# Altium PCB OLD_DIOT_temperature_logger.PcbDoc (part 5 of 6)
Units mm, origin at the board's own origin, x right, y up, seen from the top; angles counter-clockwise.
Board outline 222.54 x 100 mm, 4 copper layers (TOP, MID1, MID2, BOT), stack 1.55 mm thick; 631 components, 598 nets, 2471 pads, 1426 vias.
Unrouted connection lines stored in the file: 306.
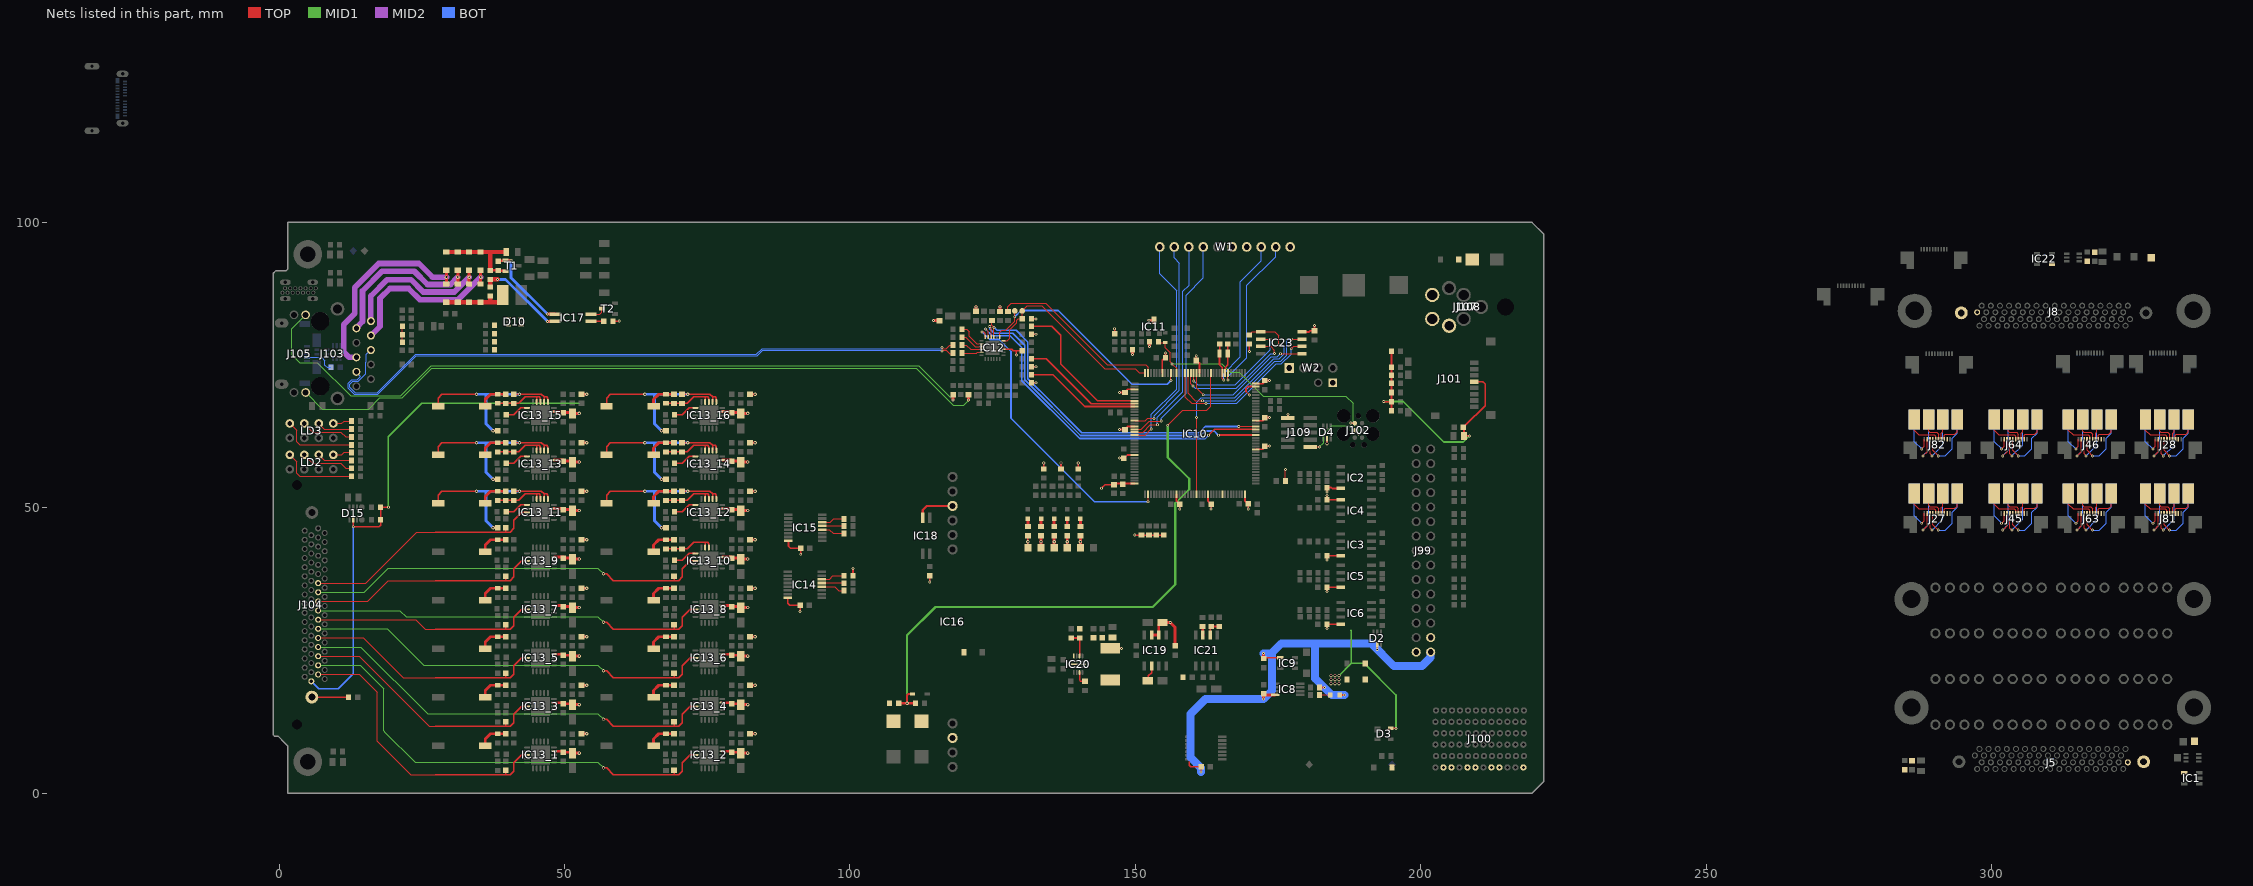
[diagram p7: the nets of this part, all layers, seen from the top]

## Via types
v1: diameter 0.5, hole 0.2, TOP to BOT, tented both sides, 687 vias
v2: diameter 0.6, hole 0.3, TOP to BOT, 286 vias
v3: diameter 0.5, hole 0.2, TOP to BOT, 256 vias
v4: diameter 0.6, hole 0.3, TOP to BOT, tented both sides, 192 vias
v5: diameter 0.66, hole 0.33, TOP to BOT, tented both sides, 5 vias

## Nets (pads, with @x,y where several pads share a name; then routed paths per layer and width w, separated by ;. In a path a pad name is that pad's centre, name@x,y a point inside that pad or via, vN(x,y) a via of type N, cw(c..) or ccw(c..) an arc to the next point about the centre after c; other vN are vias at no path point) (continued)
NetIC13_10_3: IC13_10.3 IC13_10.4 R104_10.2 R105_10.2 R106_10.2 | length 9.6
  TOP w0.254: R105_10.2@67.8,42.8 R104_10.2@69.2,42.8 R106_10.2@70.6,42.8 71.525,42.8 72.675,43.95 74.65,43.95 ; IC13_10.4@74.65,43.05 74.65,43.95 ; IC13_10.3@75.3,43.05 75.3,43.725 75.075,43.95 74.65,43.95
NetIC13_10_6: IC13_10.6 R107_10.2 | length 4.1
  TOP w0.254: R107_10.2@69.3,40.8 70.65,40.8 71.85,42 IC13_10.6@72.95,42
NetIC13_11_1: IC13_11.1 IC13_11.2 R106_11.1 R108_11.1 SW1_11.1 | length 31.6
  TOP w0.254: SW1_11.1@27.875,50.8 27.875,52.225 28.55,52.9 v2(34.6,52.9) ; R106_11.1@40.958,52.9 R106_11.1@41.1,52.9 v4(42.125,52.9) 45.975,52.9 46.45,52.425 ; IC13_11.2@46.45,51.55 46.45,52.425 ; IC13_11.1@47.1,51.55 47.1,52.215 46.89,52.425 46.45,52.425
  TOP w0.5: v4(37.5,46.5) R108_11.1@38.3,46.5
  BOT w0.5: v2(34.6,52.9) 36.275,52.9 ; v4(37.5,46.5) 36.275,47.725 36.275,52.9 ; v4(42.125,52.9) 36.275,52.9
NetIC13_11_3: IC13_11.3 IC13_11.4 R104_11.2 R105_11.2 R106_11.2 | length 9.6
  TOP w0.254: R105_11.2@38.3,51.3 R104_11.2@39.7,51.3 R106_11.2@41.1,51.3 42.025,51.3 43.175,52.45 45.15,52.45 ; IC13_11.4@45.15,51.55 45.15,52.45 ; IC13_11.3@45.8,51.55 45.8,52.225 45.575,52.45 45.15,52.45
NetIC13_11_6: IC13_11.6 R107_11.2 | length 4.1
  TOP w0.254: R107_11.2@39.8,49.3 41.15,49.3 42.35,50.5 IC13_11.6@43.45,50.5
NetIC13_12_1: IC13_12.1 IC13_12.2 R106_12.1 R108_12.1 SW1_12.1 | length 31.6
  TOP w0.254: SW1_12.1@57.375,50.8 57.375,52.225 58.05,52.9 v2(64.1,52.9) ; R106_12.1@70.458,52.9 R106_12.1@70.6,52.9 v4(71.625,52.9) 75.475,52.9 75.95,52.425 ; IC13_12.2@75.95,51.55 75.95,52.425 ; IC13_12.1@76.6,51.55 76.6,52.215 76.39,52.425 75.95,52.425
  TOP w0.5: v4(67,46.5) R108_12.1@67.8,46.5
  BOT w0.5: v2(64.1,52.9) 65.775,52.9 ; v4(67,46.5) 65.775,47.725 65.775,52.9 ; v4(71.625,52.9) 65.775,52.9
NetIC13_12_3: IC13_12.3 IC13_12.4 R104_12.2 R105_12.2 R106_12.2 | length 9.6
  TOP w0.254: R105_12.2@67.8,51.3 R104_12.2@69.2,51.3 R106_12.2@70.6,51.3 71.525,51.3 72.675,52.45 74.65,52.45 ; IC13_12.4@74.65,51.55 74.65,52.45 ; IC13_12.3@75.3,51.55 75.3,52.225 75.075,52.45 74.65,52.45
NetIC13_12_6: IC13_12.6 R107_12.2 | length 4.1
  TOP w0.254: R107_12.2@69.3,49.3 70.65,49.3 71.85,50.5 IC13_12.6@72.95,50.5
NetIC13_13_1: IC13_13.1 IC13_13.2 R106_13.1 R108_13.1 SW1_13.1 | length 31.6
  TOP w0.254: SW1_13.1@27.875,59.3 27.875,60.725 28.55,61.4 v2(34.6,61.4) ; R106_13.1@40.958,61.4 R106_13.1@41.1,61.4 v4(42.125,61.4) 45.975,61.4 46.45,60.925 ; IC13_13.2@46.45,60.05 46.45,60.925 ; IC13_13.1@47.1,60.05 47.1,60.715 46.89,60.925 46.45,60.925
  TOP w0.5: v4(37.5,55) R108_13.1@38.3,55
  BOT w0.5: v2(34.6,61.4) 36.275,61.4 ; v4(37.5,55) 36.275,56.225 36.275,61.4 ; v4(42.125,61.4) 36.275,61.4
NetIC13_13_3: IC13_13.3 IC13_13.4 R104_13.2 R105_13.2 R106_13.2 | length 9.6
  TOP w0.254: R105_13.2@38.3,59.8 R104_13.2@39.7,59.8 R106_13.2@41.1,59.8 42.025,59.8 43.175,60.95 45.15,60.95 ; IC13_13.4@45.15,60.05 45.15,60.95 ; IC13_13.3@45.8,60.05 45.8,60.725 45.575,60.95 45.15,60.95
NetIC13_13_6: IC13_13.6 R107_13.2 | length 4.1
  TOP w0.254: R107_13.2@39.8,57.8 41.15,57.8 42.35,59 IC13_13.6@43.45,59
NetIC13_14_1: IC13_14.1 IC13_14.2 R106_14.1 R108_14.1 SW1_14.1 | length 31.6
  TOP w0.254: SW1_14.1@57.375,59.3 57.375,60.725 58.05,61.4 v2(64.1,61.4) ; R106_14.1@70.458,61.4 R106_14.1@70.6,61.4 v4(71.625,61.4) 75.475,61.4 75.95,60.925 ; IC13_14.2@75.95,60.05 75.95,60.925 ; IC13_14.1@76.6,60.05 76.6,60.715 76.39,60.925 75.95,60.925
  TOP w0.5: v4(67,55) R108_14.1@67.8,55
  BOT w0.5: v2(64.1,61.4) 65.775,61.4 ; v4(67,55) 65.775,56.225 65.775,61.4 ; v4(71.625,61.4) 65.775,61.4
NetIC13_14_3: IC13_14.3 IC13_14.4 R104_14.2 R105_14.2 R106_14.2 | length 9.6
  TOP w0.254: R105_14.2@67.8,59.8 R104_14.2@69.2,59.8 R106_14.2@70.6,59.8 71.525,59.8 72.675,60.95 74.65,60.95 ; IC13_14.4@74.65,60.05 74.65,60.95 ; IC13_14.3@75.3,60.05 75.3,60.725 75.075,60.95 74.65,60.95
NetIC13_14_6: IC13_14.6 R107_14.2 | length 4.1
  TOP w0.254: R107_14.2@69.3,57.8 70.65,57.8 71.85,59 IC13_14.6@72.95,59
NetIC13_15_1: IC13_15.1 IC13_15.2 R106_15.1 R108_15.1 SW1_15.1 | length 31.6
  TOP w0.254: SW1_15.1@27.875,67.8 27.875,69.225 28.55,69.9 v2(34.6,69.9) ; R106_15.1@40.958,69.9 R106_15.1@41.1,69.9 v4(42.125,69.9) 45.975,69.9 46.45,69.425 ; IC13_15.2@46.45,68.55 46.45,69.425 ; IC13_15.1@47.1,68.55 47.1,69.215 46.89,69.425 46.45,69.425
  TOP w0.5: v4(37.5,63.5) R108_15.1@38.3,63.5
  BOT w0.5: v2(34.6,69.9) 36.275,69.9 ; v4(37.5,63.5) 36.275,64.725 36.275,69.9 ; v4(42.125,69.9) 36.275,69.9
NetIC13_15_3: IC13_15.3 IC13_15.4 R104_15.2 R105_15.2 R106_15.2 | length 9.6
  TOP w0.254: R105_15.2@38.3,68.3 R104_15.2@39.7,68.3 R106_15.2@41.1,68.3 42.025,68.3 43.175,69.45 45.15,69.45 ; IC13_15.4@45.15,68.55 45.15,69.45 ; IC13_15.3@45.8,68.55 45.8,69.225 45.575,69.45 45.15,69.45
NetIC13_15_6: IC13_15.6 R107_15.2 | length 4.1
  TOP w0.254: R107_15.2@39.8,66.3 41.15,66.3 42.35,67.5 IC13_15.6@43.45,67.5
NetIC13_16_1: IC13_16.1 IC13_16.2 R106_16.1 R108_16.1 SW1_16.1 | length 31.6
  TOP w0.254: SW1_16.1@57.375,67.8 57.375,69.225 58.05,69.9 v2(64.1,69.9) ; R106_16.1@70.458,69.9 R106_16.1@70.6,69.9 v4(71.625,69.9) 75.475,69.9 75.95,69.425 ; IC13_16.2@75.95,68.55 75.95,69.425 ; IC13_16.1@76.6,68.55 76.6,69.215 76.39,69.425 75.95,69.425
  TOP w0.5: v4(67,63.5) R108_16.1@67.8,63.5
  BOT w0.5: v2(64.1,69.9) 65.775,69.9 ; v4(67,63.5) 65.775,64.725 65.775,69.9 ; v4(71.625,69.9) 65.775,69.9
NetIC13_16_3: IC13_16.3 IC13_16.4 R104_16.2 R105_16.2 R106_16.2 | length 9.6
  TOP w0.254: R105_16.2@67.8,68.3 R104_16.2@69.2,68.3 R106_16.2@70.6,68.3 71.525,68.3 72.675,69.45 74.65,69.45 ; IC13_16.4@74.65,68.55 74.65,69.45 ; IC13_16.3@75.3,68.55 75.3,69.225 75.075,69.45 74.65,69.45
NetIC13_16_6: IC13_16.6 R107_16.2 | length 4.1
  TOP w0.254: R107_16.2@69.3,66.3 70.65,66.3 71.85,67.5 IC13_16.6@72.95,67.5
NetIC14_4: IC14.4 R116.2 | length 4.2
  TOP w0.2: IC14.4@95.05,36.175 97.375,36.175 98.05,35.5 R116.2@98.95,35.5
NetIC14_5: IC14.5 R114.2 | length 3.9
  TOP w0.2: IC14.5@95.05,36.825 R114.2@98.825,36.825 ; R114.2@98.85,36.8 R114.2@98.825,36.825 ; R114.2@98.95,36.825 R114.2@98.825,36.825
NetIC14_6: IC14.6 R112.2 | length 4.1
  TOP w0.2: IC14.6@95.05,37.475 96.475,37.475 97.049,38.049 R112.2@98.95,38.049
NetIC15_4: IC15.4 R117.2 | length 4.1
  TOP w0.127: IC15.4@95.15,46.175 96.425,46.175 97.1,45.5 R117.2@98.95,45.5
NetIC15_5: IC15.5 R115.2 | length 3.8
  TOP w0.127: IC15.5@95.15,46.825 R115.2@98.925,46.825 ; R115.2@98.938,46.825 R115.2@98.925,46.825 ; R115.2@98.95,46.8 R115.2@98.925,46.825
NetIC15_6: IC15.6 R113.2 | length 4
  TOP w0.127: IC15.6@95.15,47.475 96.575,47.475 97.149,48.049 R113.2@98.95,48.049
NetIC16_3: IC16.3 IC18.2 | length 6.9
  TOP w0.4: IC18.2@112.765,48.25 112.765,49.59 113.477,50.301 IC16.3@118.025,50.301
NetIC17_1: IC17.1 R121.1 | length 2.3
  TOP w0.254: IC17.1@54.65,82.665 56.865,82.665 R121.1@56.9,82.7
NetIC17_2: IC17.2 T2.3 | length 2.7
  TOP w0.127: IC17.2@54.65,83.935 56.21,83.935 56.55,84.275 T2.3@56.55,84.9
NetIC17_3: IC17.3 R126.2 T1.1 | length 16.7
  TOP w0.127: R126.2@38.4,93.2 T1.1@39.575,93.2 ; v3@40.64,93.35 v3(40.65,93.36)
  TOP w0.4: R126.2@38.475,93.275 T1.1@39.575,93.275 ; T1.1@39.65,93.35 v3@40.64,93.35
  TOP w0.5: v1(47.025,83.935) IC17.3@48.35,83.935
  BOT w0.5: v3(40.65,93.36) 40.65,90.31 v1(47.025,83.935)
NetIC17_4: IC17.4 R120.1 R125.2 | length 15.7
  TOP w0.5: v1(47.025,82.665) IC17.4@48.35,82.665
  TOP w0.8: R120.1@37,88.7 R125.2@37,90 v3(38.275,90)
  BOT w0.5: v3(38.275,90) 39.69,90 v1(47.025,82.665)
NetIC20_2: IC20.2 L9.1
NetIC20_5: IC20.5 R129.1 R130.1 | length 4.6
  TOP w0.254: IC20.5@140.25,24.05 R129.1@140.25,27.2
  TOP w0.3: R130.1@138.8,27.2 R129.1@140.25,27.2
NetIC20_10: IC20.10 R128.1 | length 2.4
  TOP w0.254: IC20.10@140.25,21.15 140.25,19.75 140.4,19.6 R128.1@141.2,19.6
NetIC21_7: IC21.7 R132.1 | length 1.5
  TOP w0.508: R132.1@161.8,29.2 161.832,29.168 161.832,27.732 IC21.7@161.865,27.7
NetJ5_69: J5.69 R1.1
NetJ8_69: J8.69 R2.1
NetJ103_L1: J103.L1 R83.2 | length 132.4
  TOP w0.5: v1(118.1,68.875) R83.2@118.1,69.8
  MID1 w0.2: J103.L1@4.65,83.8 2.225,81.375 2.225,76.85 3.65,75.425 6.725,75.425 12.525,69.625 21.35,69.625 26.65,74.925 112.05,74.925 v1(118.1,68.875)
NetJ103_L3: J103.L3 R99.2 | length 124.3
  TOP w0.5: v1(120.8,68.875) R99.2@120.8,69.8
  MID1 w0.2: J103.L3@4.65,70.2 7.6,67.25 15.675,67.25 17.675,69.25 21.55,69.25 26.775,74.475 111.675,74.475 118.15,68 119.925,68 v1(120.8,68.875)
NetJ104_69: J104.69 R111.1 | length 6
  TOP w0.254: J104.69@5.75,16.825 11.675,16.825 11.7,16.8
NetJ105_4: J105.4 L6.2 | length 5.4
  BOT w0.2: J105.4@4.9,76.35 7.5,76.35 8.05,75.8 8.05,75 8.442,74.608 9.092,74.608 L6.2@9.1,74.6
NetLD1_1: LD1.1 R44.2 | length 1.9
  TOP w0.127: R44.2@182.3,17.2 LD1.1@184.175,17.2
NetLD2_2: LD2.2 R65.2 | length 13.5
  TOP w0.2: LD2.2@1.89,59.27 3.1,58.06 3.1,56.05 3.65,55.5 R65.2@12.7,55.5
NetLD2_4: LD2.4 R67.2 | length 9.3
  TOP w0.2: LD2.4@4.43,59.27 5.925,57.775 10.8,57.775 11.675,56.9 R67.2@12.7,56.9
NetLD2_6: LD2.6 R68.2 | length 6.1
  TOP w0.2: LD2.6@6.97,59.27 7.94,58.3 R68.2@12.7,58.3
NetLD2_8: LD2.8 R71.2 | length 3.4
  TOP w0.2: LD2.8@9.51,59.27 10.97,59.27 11.4,59.7 R71.2@12.7,59.7
NetLD3_2: LD3.2 R72.2 | length 13.5
  TOP w0.2: LD3.2@1.89,64.77 3.1,63.56 3.1,61.55 3.65,61 R72.2@12.7,61
NetLD3_4: LD3.4 R73.2 | length 9.3
  TOP w0.2: LD3.4@4.43,64.77 5.925,63.275 10.8,63.275 11.675,62.4 R73.2@12.7,62.4
NetLD3_6: LD3.6 R75.2 | length 6.1
  TOP w0.2: LD3.6@6.97,64.77 7.94,63.8 R75.2@12.7,63.8
NetLD3_8: LD3.8 R76.2 | length 3.4
  TOP w0.2: LD3.8@9.51,64.77 10.97,64.77 11.4,65.2 R76.2@12.7,65.2
NetLD4_2: LD4.2 R133.2 | length 1.4
  TOP w0.5: R133.2@140.4,46.7 LD4.2@140.4,48.075
NetLD5_2: LD5.2 R134.2 | length 1.4
  TOP w0.5: R134.2@135.8,46.7 LD5.2@135.8,48.075
NetLD6_2: LD6.2 R135.2 | length 1.4
  TOP w0.5: R135.2@131.2,46.7 LD6.2@131.2,48.075
NetLD7_2: LD7.2 R136.2 | length 1.4
  TOP w0.5: R136.2@133.5,46.7 LD7.2@133.5,48.075
NetLD8_2: LD8.2 R137.2 | length 1.4
  TOP w0.5: R137.2@138.1,46.7 LD8.2@138.1,48.075
NetR57_1: R57.1 R118.1 R119.2 | length 2.8
  TOP w0.127: R119.2@21.6,79 R57.1@21.6,80.3 R118.1@21.6,81.8
NetR104_1_1: R104_1.1 R105_1.1 SW1_1.2 | length 5.1
  TOP w0.5: SW1_1.2@36.125,8.3 36.125,9.5 37.025,10.4 R105_1.1@38.3,10.4 R104_1.1@39.7,10.4
NetR104_2_1: R104_2.1 R105_2.1 SW1_2.2 | length 5.1
  TOP w0.5: SW1_2.2@65.625,8.3 65.625,9.5 66.525,10.4 R105_2.1@67.8,10.4 R104_2.1@69.2,10.4
NetR104_3_1: R104_3.1 R105_3.1 SW1_3.2 | length 5.1
  TOP w0.5: SW1_3.2@36.125,16.8 36.125,18 37.025,18.9 R105_3.1@38.3,18.9 R104_3.1@39.7,18.9
NetR104_4_1: R104_4.1 R105_4.1 SW1_4.2 | length 5.1
  TOP w0.5: SW1_4.2@65.625,16.8 65.625,18 66.525,18.9 R105_4.1@67.8,18.9 R104_4.1@69.2,18.9
NetR104_5_1: R104_5.1 R105_5.1 SW1_5.2 | length 5.1
  TOP w0.5: SW1_5.2@36.125,25.3 36.125,26.5 37.025,27.4 R105_5.1@38.3,27.4 R104_5.1@39.7,27.4
NetR104_6_1: R104_6.1 R105_6.1 SW1_6.2 | length 5.1
  TOP w0.5: SW1_6.2@65.625,25.3 65.625,26.5 66.525,27.4 R105_6.1@67.8,27.4 R104_6.1@69.2,27.4
NetR104_7_1: R104_7.1 R105_7.1 SW1_7.2 | length 5.1
  TOP w0.5: SW1_7.2@36.125,33.8 36.125,35 37.025,35.9 R105_7.1@38.3,35.9 R104_7.1@39.7,35.9
NetR104_8_1: R104_8.1 R105_8.1 SW1_8.2 | length 5.1
  TOP w0.5: SW1_8.2@65.625,33.8 65.625,35 66.525,35.9 R105_8.1@67.8,35.9 R104_8.1@69.2,35.9
NetR104_9_1: R104_9.1 R105_9.1 SW1_9.2 | length 5.1
  TOP w0.5: SW1_9.2@36.125,42.3 36.125,43.5 37.025,44.4 R105_9.1@38.3,44.4 R104_9.1@39.7,44.4
NetR104_10_1: R104_10.1 R105_10.1 SW1_10.2 | length 5.1
  TOP w0.5: SW1_10.2@65.625,42.3 65.625,43.5 66.525,44.4 R105_10.1@67.8,44.4 R104_10.1@69.2,44.4
NetR104_11_1: R104_11.1 R105_11.1 SW1_11.2 | length 5.1
  TOP w0.5: SW1_11.2@36.125,50.8 36.125,52 37.025,52.9 R105_11.1@38.3,52.9 R104_11.1@39.7,52.9
NetR104_12_1: R104_12.1 R105_12.1 SW1_12.2 | length 5.1
  TOP w0.5: SW1_12.2@65.625,50.8 65.625,52 66.525,52.9 R105_12.1@67.8,52.9 R104_12.1@69.2,52.9
NetR104_13_1: R104_13.1 R105_13.1 SW1_13.2 | length 5.1
  TOP w0.5: SW1_13.2@36.125,59.3 36.125,60.5 37.025,61.4 R105_13.1@38.3,61.4 R104_13.1@39.7,61.4
NetR104_14_1: R104_14.1 R105_14.1 SW1_14.2 | length 5.1
  TOP w0.5: SW1_14.2@65.625,59.3 65.625,60.5 66.525,61.4 R105_14.1@67.8,61.4 R104_14.1@69.2,61.4
NetR104_15_1: R104_15.1 R105_15.1 SW1_15.2 | length 5.1
  TOP w0.5: SW1_15.2@36.125,67.8 36.125,69 37.025,69.9 R105_15.1@38.3,69.9 R104_15.1@39.7,69.9
NetR104_16_1: R104_16.1 R105_16.1 SW1_16.2 | length 5.1
  TOP w0.5: SW1_16.2@65.625,67.8 65.625,69 66.525,69.9 R105_16.1@67.8,69.9 R104_16.1@69.2,69.9
P3V0REF: C78.1 C81.2 IC21.6 R74.2 R136.1 TP9.1 | length 5.9
  TOP w0.3: IC21.6@163.135,27.7 163.135,29.035 C78.1@163.3,29.2 C81.2@164.7,29.2
  TOP w0.5: TP9.1@133.5,43 R136.1@133.5,45.1 ; v3(149.5,76.825) R74.2@149.5,77.7
  other v2: 133.5,44.05
P3V3: C4.1 C5.1 C6.2 C7.1 C8.1 C19.2 C20.2 C28.1 C29.2 C30.2 C31.2 C32.2 C33.2 C34.2 C35.2 C36.2 C37.2 C38.2 C39.2 C42.2 C46.2 C56_1.2 C56_2.2 C56_3.2 C56_4.2 C56_5.2 C56_6.2 C56_7.2 C56_8.2 C56_9.2 C56_10.2 C56_11.2 C56_12.2 C56_13.2 C56_14.2 C56_15.2 C56_16.2 C57_1.1 C57_2.1 C57_3.1 C57_4.1 C57_5.1 C57_6.1 C57_7.1 C57_8.1 C57_9.1 C57_10.1 C57_11.1 C57_12.1 C57_13.1 C57_14.1 C57_15.1 C57_16.1 C74.2 C75.1 C83.2 C84.2 C85.2 C86.2 D3.4 D4.5 D15.5 D23.2 IC2.8 IC3.8 IC4.1 IC5.8 IC6.8 IC10.17 IC10.30 IC10.39 IC10.52 IC10.62 IC10.72 IC10.84 IC10.95 IC10.108 IC10.121 IC10.131 IC10.143 IC10.144 IC11.3 IC12.9 IC13_1.19 IC13_2.19 IC13_3.19 IC13_4.19 IC13_5.19 IC13_6.19 IC13_7.19 IC13_8.19 IC13_9.19 IC13_10.19 IC13_11.19 IC13_12.19 IC13_13.19 IC13_14.19 IC13_15.19 IC13_16.19 IC14.16 IC15.16 IC19.6 IC19.7 IC23.8 J101.4 J102.1 J104.35 J109.1 JP1.1 L1.1 L2.1 L3_1.2 L3_2.2 L3_3.2 L3_4.2 L3_5.2 L3_6.2 L3_7.2 L3_8.2 L3_9.2 L3_10.2 L3_11.2 L3_12.2 L3_13.2 L3_14.2 L3_15.2 L3_16.2 R50.2 R51.2 R52.2 R53.2 R54.2 R58.2 R59.2 R60.2 R61.2 R62.2 R63.2 R64.2 R66.2 R69.1 R70.1 R77.2 R80.2 R81.2 R82.2 R95.1 R96.1 R112.1 R121.2 R124.2 R134.1 R138.2 TP7.1 W1.10 W2.1 | length 359.1
  TOP w0.2: R66.2@176.3,54.7 v3(176.3,56.7)
  TOP w0.3: D15.5@13,47.9 v1(13,46.675) 17.513,46.675 17.8,46.962 R69.1@17.8,47.9 R70.1@17.8,50.1 v3(19.15,50.1) ; R121.2@58.5,82.7 v3(59.6,82.7) ; IC14.16@89.15,34.225 89.15,33.25 89.5,32.9 C84.2@91.3,32.9 v3(91.3,31.85) ; IC15.16@89.25,44.225 89.25,43.25 89.6,42.9 C85.2@91.4,42.9 v3(91.4,41.85) ; R112.1@100.55,38.1 v3(100.55,39.375) ; v3(114,37) R124.2@114,38.1 ; IC12.9@126.9,77.75 128.4,77.75 128.65,77.5 129.177,77.5 ; v1(129.175,76.775) 129.175,77.498 129.177,77.5 ; C46.2@130.2,77.5 129.177,77.5 ; R81.2@131.8,71.9 v1(132.625,71.9) ; R82.2@131.8,74.7 v1(132.625,74.7) ; R80.2@131.8,80.4 v1(132.625,80.4) ; R95.1@131.8,83.1 v1(132.625,83.1) ; R54.2@134,56.8 v2(134,57.85) ; v3(144.075,53.425) 144.7,54.05 C28.1@146.3,54.05 146.5,54.25 IC10.72@149.875,54.25 ; L1.1@146.4,80.5 v3(146.4,81.375) ; v1(147.275,58.7) C33.2@148,58.7 148.1,58.7 148.65,59.25 IC10.62@149.875,59.25 ; v1(147.275,63.7) 148.1,63.7 148.65,64.25 IC10.52@149.875,64.25 ; v1(147.275,70.2) 148.1,70.2 148.65,70.75 IC10.39@149.875,70.75 ; v3(149.925,45.2) R50.2@151.1,45.2 R51.2@152.4,45.2 R52.2@153.7,45.2 R53.2@155,45.2 ; IC10.30@154.75,73.625 154.75,75.85 155.3,76.4 v1(155.3,77.125) ; IC10.84@157.25,52.375 157.25,51.15 C37.2@157.8,50.6 v1(157.8,49.775) ; v1(160.7,76.625) 160.7,75.9 161.25,75.35 IC10.17@161.25,73.625 ; IC10.95@162.75,52.375 162.75,51.15 C38.2@163.3,50.6 v1(163.3,49.775) ; IC10.108@169.25,52.375 169.25,51.15 169.8,50.6 v1(169.8,49.775) ; v1(170,77.375) R138.2@170,78.7 ; v3(170.025,69.75) 169.4,70.375 169.4,70.95 169.7,71.25 IC10.143@171.125,71.25 ; IC10.121@171.125,60.25 172.35,60.25 172.9,60.8 v1(173.525,60.8) ; IC10.131@171.125,65.25 172.35,65.25 172.9,65.8 v1(173.525,65.8) ; IC10.144@171.125,71.75 172.35,71.75 172.9,72.3 v1(173.525,72.3) ; J109.1@176.75,65.74 v3(176.75,66.36) ; IC23.8@179.2,80.805 180.48,80.805 180.675,81 C83.2@181.4,81 v1(181.4,81.925) ; v3(183.6,28.85) C5.1@183.6,29.6 185.995,29.6 IC6.8@186,29.595 ; v3(183.6,35.35) C7.1@183.6,36.1 183.605,36.095 IC5.8@186,36.095 ; v3(183.6,40.85) C4.1@183.6,41.6 183.605,41.595 IC3.8@186,41.595 ; C6.2@183.6,51.4 v3(183.6,52.15) ; v3(183.6,52.75) C8.1@183.6,53.5 183.65,53.55 184.35,53.55 184.505,53.395 IC2.8@186,53.395 ; v2@183.6,61.3 D4.5@183.6,62.1 ; C6.2@183.605,51.405 IC4.1@186,51.405 ; v3(187.75,64.825) 187.752,64.828 188.463,64.828 J102.1@188.465,64.83 ; v3(193.55,68.625) 193.575,68.6 R62.2@194.9,68.6 ; D3.4@194.75,11.35 v3(195.675,11.35) ; R58.2@194.89,77.4 R59.2@194.89,74.6 R64.2@194.89,73.2 R60.2@194.89,71.8 194.89,70.2 194.89,68.6 194.89,67.01 R63.2@194.9,67 ; v3(208.55,62.6) C20.2@207.6,62.6 207.6,64 C19.2@207.5,64.1 207.5,64.125 207.825,64.45 207.85,64.45 211.3,67.9 211.3,71.675 210.875,72.1 J101.4@209.4,72.1
  TOP w0.5: IC13_1.19@48.15,7.35 C56_1.2@49.8,7.35 ; IC13_3.19@48.15,15.85 C56_3.2@49.8,15.85 ; IC13_5.19@48.15,24.35 C56_5.2@49.8,24.35 ; IC13_7.19@48.15,32.85 C56_7.2@49.8,32.85 ; IC13_9.19@48.15,41.35 C56_9.2@49.8,41.35 ; IC13_11.19@48.15,49.85 C56_11.2@49.8,49.85 ; IC13_13.19@48.15,58.35 C56_13.2@49.8,58.35 ; IC13_15.19@48.15,66.85 C56_15.2@49.8,66.85 ; C56_1.2@49.8,7.175 51.225,7.175 C57_1.1@51.375,7.025 ; C56_3.2@49.8,15.675 51.225,15.675 C57_3.1@51.375,15.525 ; C56_5.2@49.8,24.175 51.225,24.175 C57_5.1@51.375,24.025 ; C56_7.2@49.8,32.675 51.225,32.675 C57_7.1@51.375,32.525 ; C56_9.2@49.8,41.175 51.225,41.175 C57_9.1@51.375,41.025 ; C56_11.2@49.8,49.675 51.225,49.675 C57_11.1@51.375,49.525 ; C56_13.2@49.8,58.175 51.225,58.175 C57_13.1@51.375,58.025 ; C56_15.2@49.8,66.675 51.225,66.675 C57_15.1@51.375,66.525 ; C57_1.1@51.4,7 C57_1.1@51.375,7.025 ; C57_3.1@51.4,15.5 C57_3.1@51.375,15.525 ; C57_5.1@51.4,24 C57_5.1@51.375,24.025 ; C57_7.1@51.4,32.5 C57_7.1@51.375,32.525 ; C57_9.1@51.4,41 C57_9.1@51.375,41.025 ; C57_11.1@51.4,49.5 C57_11.1@51.375,49.525 ; C57_13.1@51.4,58 C57_13.1@51.375,58.025 ; C57_15.1@51.4,66.5 C57_15.1@51.375,66.525 ; v4(52.6,7.025) C57_1.1@51.375,7.025 ; v4(52.6,15.525) C57_3.1@51.375,15.525 ; v4(52.6,24.025) C57_5.1@51.375,24.025 ; v4(52.6,32.525) C57_7.1@51.375,32.525 ; v4(52.6,41.025) C57_9.1@51.375,41.025 ; v4(52.6,49.525) C57_11.1@51.375,49.525 ; v4(52.6,58.025) C57_13.1@51.375,58.025 ; v4(52.6,66.525) C57_15.1@51.375,66.525 ; L3_1.2@53,10.4 v4(53.9,10.4) ; L3_3.2@53,18.9 v4(53.9,18.9) ; L3_5.2@53,27.4 v4(53.9,27.4) ; L3_7.2@53,35.9 v4(53.9,35.9) ; L3_9.2@53,44.4 v4(53.9,44.4) ; L3_11.2@53,52.9 v4(53.9,52.9) ; L3_13.2@53,61.4 v4(53.9,61.4) ; L3_15.2@53,69.9 v4(53.9,69.9) ; IC13_2.19@77.65,7.35 C56_2.2@79.3,7.35 ; IC13_4.19@77.65,15.85 C56_4.2@79.3,15.85 ; IC13_6.19@77.65,24.35 C56_6.2@79.3,24.35 ; IC13_8.19@77.65,32.85 C56_8.2@79.3,32.85 ; IC13_10.19@77.65,41.35 C56_10.2@79.3,41.35 ; IC13_12.19@77.65,49.85 C56_12.2@79.3,49.85 ; IC13_14.19@77.65,58.35 C56_14.2@79.3,58.35 ; IC13_16.19@77.65,66.85 C56_16.2@79.3,66.85 ; C56_2.2@79.3,7.175 80.725,7.175 C57_2.1@80.875,7.025 ; C56_4.2@79.3,15.675 80.725,15.675 C57_4.1@80.875,15.525 ; C56_6.2@79.3,24.175 80.725,24.175 C57_6.1@80.875,24.025 ; C56_8.2@79.3,32.675 80.725,32.675 C57_8.1@80.875,32.525 ; C56_10.2@79.3,41.175 80.725,41.175 C57_10.1@80.875,41.025 ; C56_12.2@79.3,49.675 80.725,49.675 C57_12.1@80.875,49.525 ; C56_14.2@79.3,58.175 80.725,58.175 C57_14.1@80.875,58.025 ; C56_16.2@79.3,66.675 80.725,66.675 C57_16.1@80.875,66.525 ; C57_2.1@80.9,7 C57_2.1@80.875,7.025 ; C57_4.1@80.9,15.5 C57_4.1@80.875,15.525 ; C57_6.1@80.9,24 C57_6.1@80.875,24.025 ; C57_8.1@80.9,32.5 C57_8.1@80.875,32.525 ; C57_10.1@80.9,41 C57_10.1@80.875,41.025 ; C57_12.1@80.9,49.5 C57_12.1@80.875,49.525 ; C57_14.1@80.9,58 C57_14.1@80.875,58.025 ; C57_16.1@80.9,66.5 C57_16.1@80.875,66.525 ; v4(82.1,7.025) C57_2.1@80.875,7.025 ; v4(82.1,15.525) C57_4.1@80.875,15.525 ; v4(82.1,24.025) C57_6.1@80.875,24.025 ; v4(82.1,32.525) C57_8.1@80.875,32.525 ; v4(82.1,41.025) C57_10.1@80.875,41.025 ; v4(82.1,49.525) C57_12.1@80.875,49.525 ; v4(82.1,58.025) C57_14.1@80.875,58.025 ; v4(82.1,66.525) C57_16.1@80.875,66.525 ; L3_2.2@82.5,10.4 v4(83.4,10.4) ; L3_4.2@82.5,18.9 v4(83.4,18.9) ; L3_6.2@82.5,27.4 v4(83.4,27.4) ; L3_8.2@82.5,35.9 v4(83.4,35.9) ; L3_10.2@82.5,44.4 v4(83.4,44.4) ; L3_12.2@82.5,52.9 v4(83.4,52.9) ; L3_14.2@82.5,61.4 v4(83.4,61.4) ; L3_16.2@82.5,69.9 v4(83.4,69.9) ; v1(114.675,82.8) C42.2@115.7,82.8 ; L2.1@122.1,84.4 v1(122.1,85.225) ; R96.1@126.3,84.4 v1(126.3,85.225) ; TP7.1@135.8,43 R134.1@135.8,45.1 ; v3(152.425,82.843) IC11.3@153.3,82.843 ; v3(152.5,78.225) R77.2@152.5,79.1 ; IC19.7@152.865,27.7 IC19.6@154.135,27.7 154.135,29.425 154.61,29.9 C75.1@154.8,29.9 v1(156.15,29.9) 157,29.05 C74.2@157,25.8